# KiCad board Ultrasonic Sound Steering - Control Rev. A.kicad_pcb (continued)
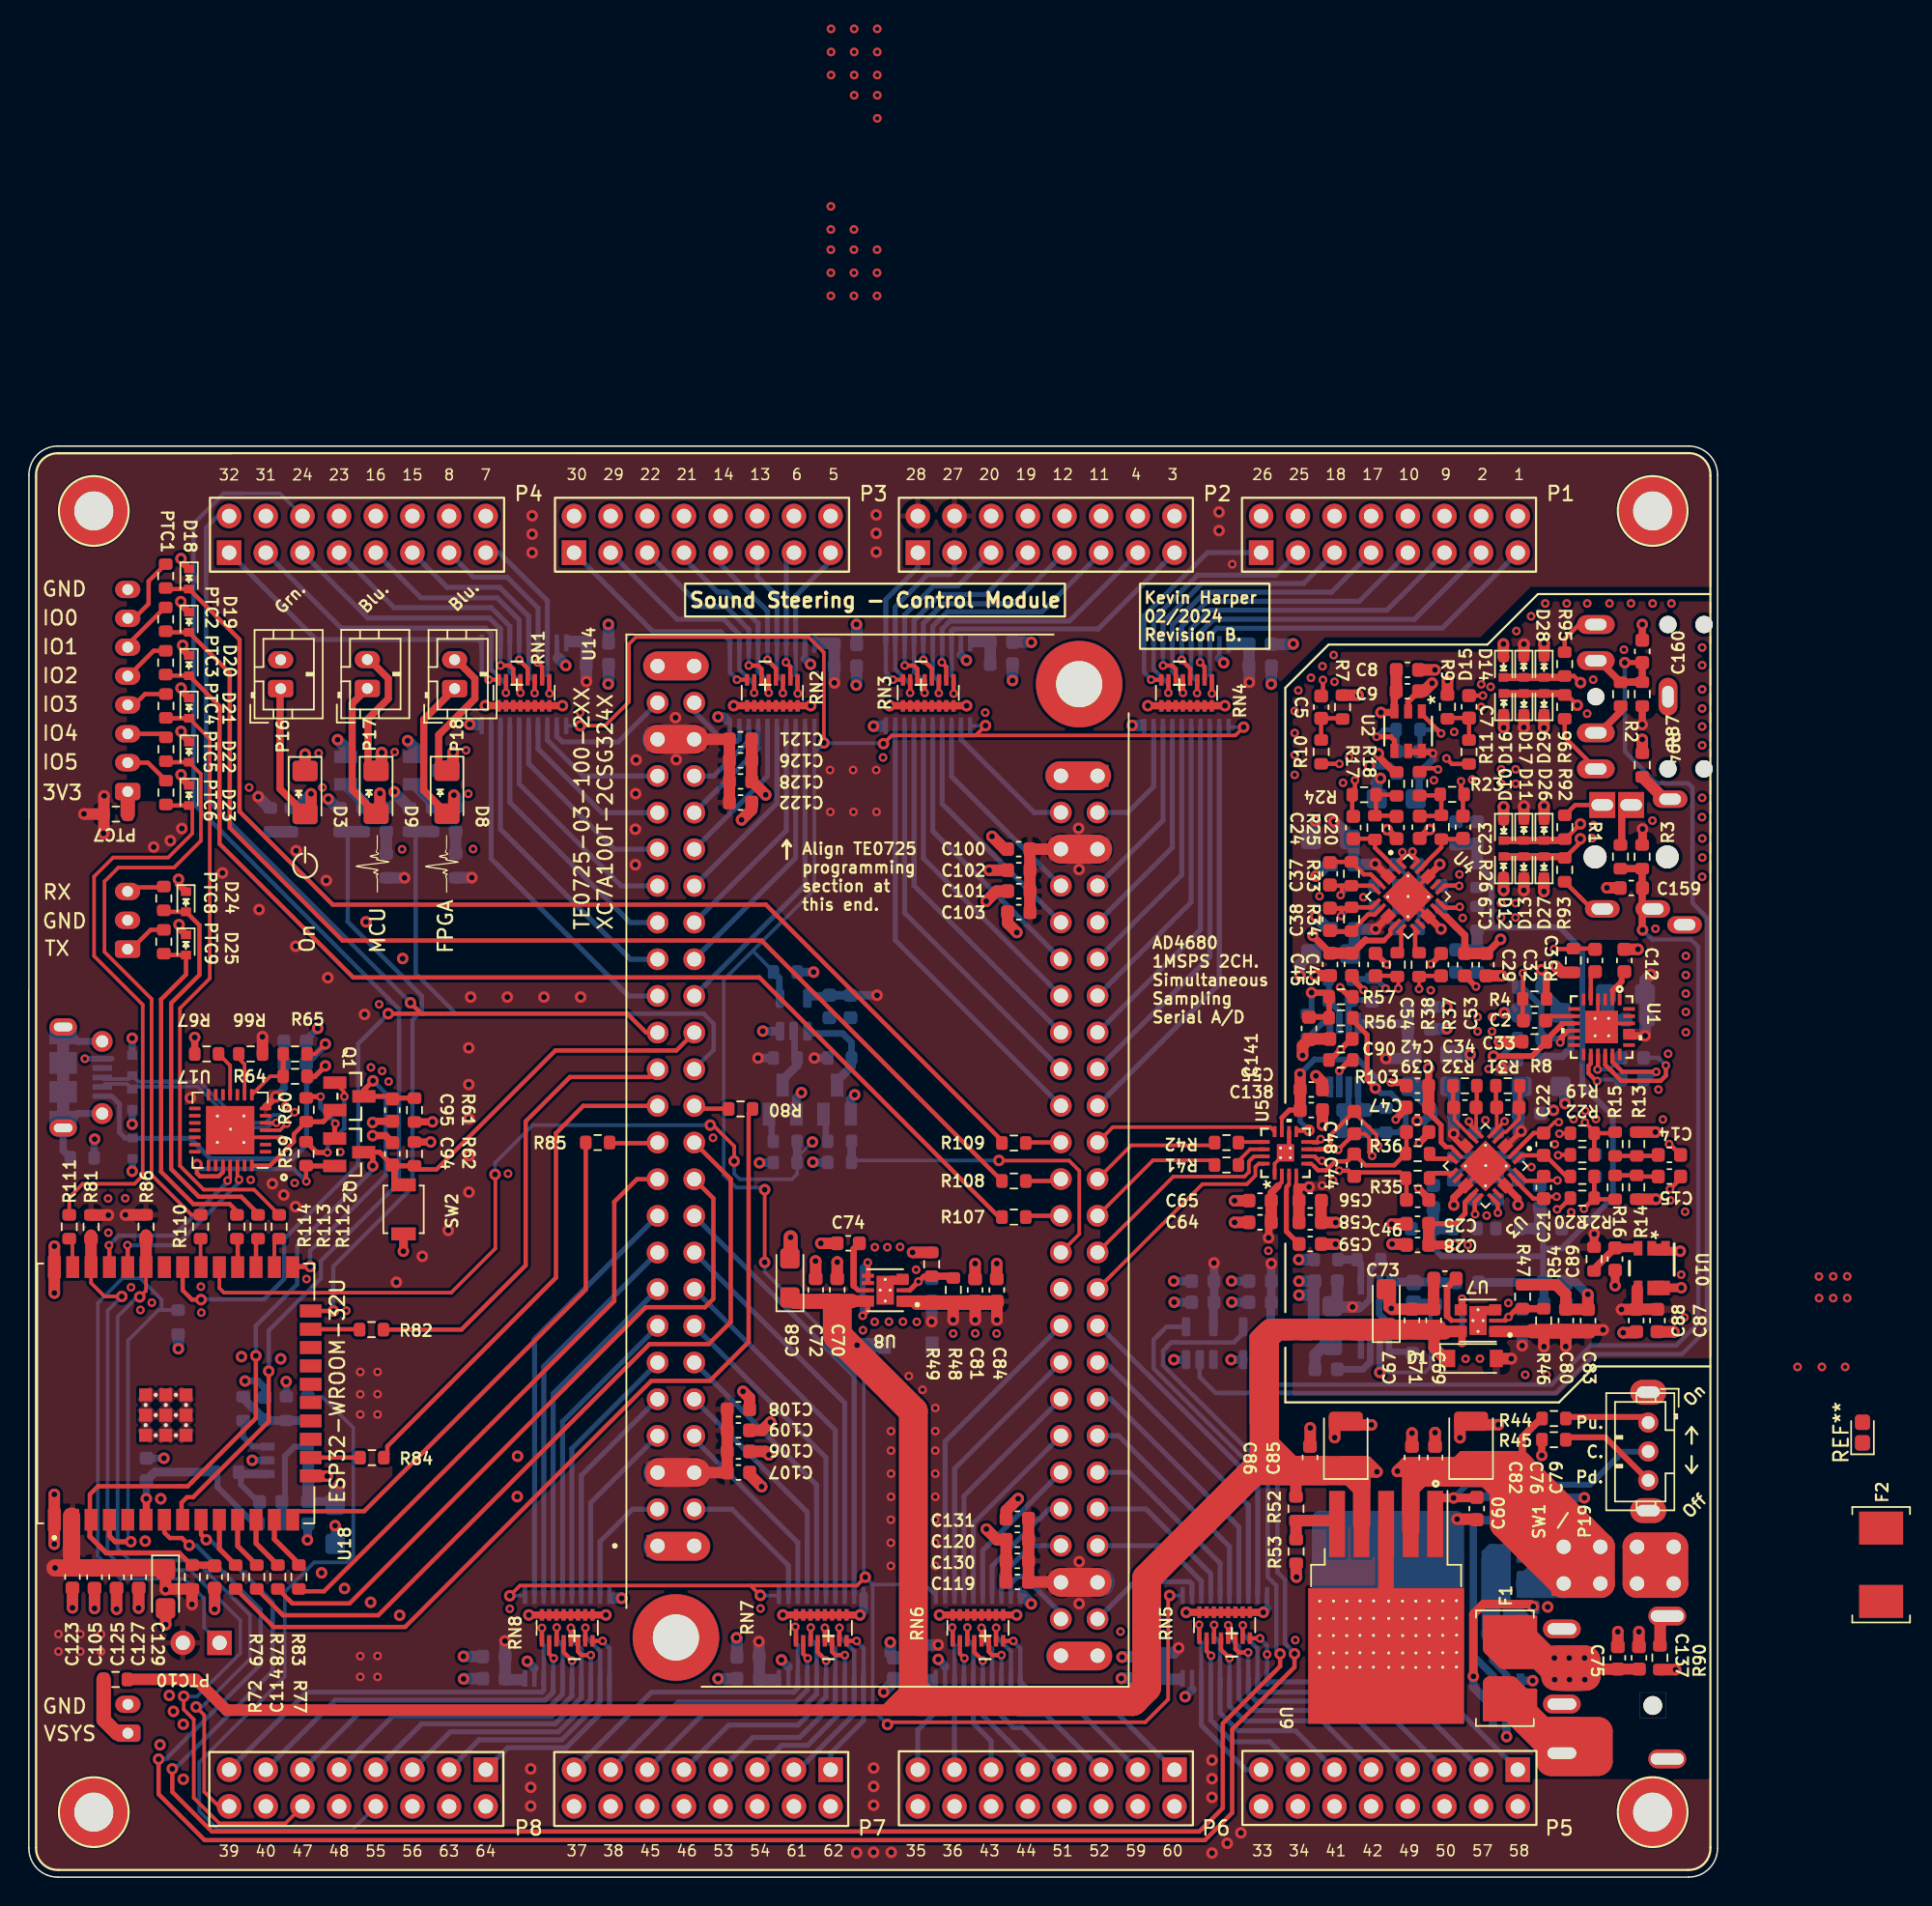
[diagram p0: board, top side]
## Routing (per net, layer and track width the routed paths; a pad name or vN(x,y) marks a point on that pad's centre or on a via; arc(x,y) is an arc through that point) (continued)
I2S_SDA: length 61.3
  Top w0.3: R77.2 16.96,17.33 26.07,17.33 43.12,34.38 47.18,34.38 49.87,37.07 49.87,52.96 R80.1 ; 16.78,17.51 16.96,17.33
I2S_WS: length 48.5
  Top w0.3: U14.22_1 47.43,47.02 47.43,40.07 46.84,39.48 42.74,39.48 22.22,18.96 18.26,18.96 18,19.22 ; R78.2 18.25,18.96
IO0: length 21.6
  Top w0.25: 25.01,54.09 C95.1 25.25,53.98
  Top w0.35: 25.01,54.09 Q1.3 23.21,54.54 v2(23.85,55.17) ; U18.25 18.32,42.3 v2(19.49,42.3) ; 26.72,53.98 25.25,53.98
  Bottom w0.3: 24.71,48.61 19.49,43.39 v2(19.49,42.3) ; 24.66,48.56 24.72,48.62 24.72,54.11 24.72,54.11 24.72,54.3 v2(23.85,55.17)
MCU_IO0: length 42.4
  Top w0.25: 17.34,45.89 15.6,47.63 12.11,47.63 10.47,49.27 10.47,60.2 12.54,62.26 12.54,78.85 D21.2
  Top w0.3: PTC4.2 9.52,80.29 D21.2
MCU_IO1: length 41.7
  Top w0.25: 8.5,60.59 8.5,60.84 5.24,64.1 5.24,68.98 6.2,69.94 10.06,69.94 11.92,71.8 11.92,76.42 D22.2 ; 11.01,46.14 11.26,45.89 R110.2 ; 8.5,60.79 8.5,48.65 11.01,46.14
  Top w0.3: D22.2 9.57,77.24 PTC5.2
MCU_IO2: length 40.8
  Top w0.25: D23.2 11.32,74.02 11.32,72.31 9.66,70.64 5.84,70.64 4.52,69.32 4.52,63.81 7.89,60.44 7.89,48.61 7.31,48.03 3.73,48.03 2.8,47.1 2.8,45.83
  Top w0.3: D23.2 9.57,74.24 PTC6.2
mono_n: length 28
  Top w0.25: v1(93.48,50.66) 93.38,50.76 93.38,51.41 92.06,52.73 91.93,52.73 ; R38.1 94.65,62.24 ; R38.1 94.76,62.45 ; R38.1 94.88,62.33 v1(94.88,61.57) ; U5.7 89.84,50.43
  Top w0.3: C48.1 90.17,51.39 90.17,50.75 89.84,50.43 ; 89.37,50.42 89.82,50.42 ; C54.2 94.76,62.45 ; 89.12,50.42 89.57,50.42
  In1.Cu w0.25: 94.99,56.31 94.99,61.46 v1(94.88,61.57) ; v1(93.48,50.66) 93.8,50.98 93.8,51.73 93.51,52.02 93.51,53 94.99,54.47 94.99,56.28 ; 94.99,55.91 94.99,61.06
mono_p: length 23.6
  Top w0.25: v1(96.32,61.54) R37.1 96.37,62.44 ; v1(93.07,49.97) 92.85,50.19 92.85,51.21 92.56,51.51 C48.2 91.92,51.59 91.93,51.59 ; U5.8 89.3,50.93
  Top w0.3: 88.97,50.92 89.28,50.92 v1(89.5,51.13) 89.3,50.93 ; C53.1 96.37,62.44 ; v1(90.71,50.39) 91.82,51.51 C48.2
  In1.Cu w0.25: v1(93.07,49.97) 93.67,49.97 94.25,50.55 94.25,51.92 93.96,52.2 93.96,52.81 95.44,54.29 95.44,61.24 95.73,61.54 v1(96.32,61.54) ; 89.66,50.97 v1(89.5,51.13)
  In1.Cu w0.3: 89.66,50.97 90.13,50.97 v1(90.71,50.39)
RTS: length 14.2
  Top w0.25: 19.21,48.22 v1(19.23,48.2) ; U17.24 13.45,48.85 ; 19.23,49.27 R59.1
  Top w0.3: v2(11.65,49.37) 11.65,48.77 11.86,48.56 13.15,48.56 13.45,48.85 ; R59.1 19.21,48.22
  Top w0.35: Q2.2 19.23,49.27
  Bottom w0.3: v2(11.65,49.37) 11.96,49.06 18.37,49.06 v1(19.23,48.2)
SPI_CS~: length 32.4
  Top w0.3: 24.48,37.93 29.97,37.93 34.42,42.38 34.42,52.36 37.49,55.43 43.02,55.43 U14.27_1
SPI_MISO: length 36.6
  Top w0.3: 18.54,25.35 23.23,25.35 38.58,40.71 R85.2
SPI_MOSI: length 35.4
  Top w0.3: U14.25_1 38.41,53.43 36.52,51.54 36.52,41.53 24.84,29.85 24.84,29.31 24.65,29.13 24.51,29.13
  Top w0.35: 24.51,29.06 24.51,29.13
SPI_SCK: length 40.8
  Top w0.3: U14.21_1 42.13,48.35 40.56,46.78 40.56,39.91 20.45,19.8 18.87,19.8 R83.2
TX_ACTIVE: length 92
  Top w0.3: U14.29_1 42.77,58.51 41.46,59.82 27.31,59.82 ; v2(26.44,60.58) 27.19,59.82 27.31,59.82 ; 27.31,59.82 v2(24.9,59.82) ; 10.66,42.01 10.66,40.65 11.3,40.01 v2(11.93,40.01)
  Bottom w0.3: 22.56,49.09 22.82,49.35 ; 22.82,49.35 22.82,56.74 ; 22.82,49.35 22.82,49.76 ; 22.82,49.35 17.69,44.22 17.69,41.44 16.29,40.04 11.95,40.04 v2(11.93,40.01) ; 13.08,94.3 12.28,93.5 12.28,74.74 v2(26.44,60.58) ; 22.82,56.43 22.82,57.74 v2(24.9,59.82)
UART_RX: length 28
  Top w0.25: 9.45,66.88 PTC8.2
  Top w0.3: 9.45,66.88 D24.2 11.82,65.95 11.82,62.51 9.86,60.55 9.86,49.06 11.78,47.14 14.71,47.14 15.88,45.97 15.88,45.89
UART_TX: length 23.7
  Top w0.25: 9.45,63.88 PTC9.2
  Top w0.3: 14.42,46.13 13.91,46.64 11.4,46.64 11.39,46.64 9.16,48.87 9.16,60.81 10.89,62.54 D25.2 9.45,63.88
UltrasonicDrive_DIS~: length 90.4
  Top w0.3: 10.58,25.01 10.58,25.94 10.95,26.32 11.37,26.32 16.62,31.57 v2(16.62,35.05)
  Bottom w0.25: 14.85,95.87 17.39,95.87 P4.6
  Bottom w0.3: 25.65,57.07 25.65,60.13 25.21,60.57 24.86,60.92 ; 24.86,60.92 24.93,60.85 ; 24.86,60.92 11.41,74.37 11.41,93.76 13.51,95.87 14.85,95.87 ; 25.65,48.37 25.65,48.11 20.24,42.7 20.24,41.49 16.62,37.87 v2(16.62,35.05) ; 25.65,48.25 25.65,57.06
USER_CFG: length 115.2
  Top w0.25: v2(48.86,49.61) 48.86,50.65 47.4,52.1 v2(47.21,52.1) ; v2(32.3,48.68) 32.32,48.66 32.32,43.55 29.26,40.49 13.52,40.49 13.2,40.81 U18.29
  Top w0.35: U18.4 5.58,23.63 5.97,23.24 v2(7.06,23.24)
  Bottom w0.2: v2(54.29,50.93) 53.23,49.87 R127.1
  Bottom w0.25: R127.1 53.23,48.71 52.87,48.35 49.26,48.35 48.86,48.75 v2(48.86,49.61) ; JP1.1 12.14,17.3 12.14,19.29 10.78,20.65 6.36,20.65 4.78,22.23 4.78,39.77 6.49,41.49 7.72,41.49 9.2,40.01 9.2,39.28 R91.1 8.98,39.28 6.87,37.17 6.87,23.43 v2(7.06,23.24) ; v2(47.21,52.1) 34.92,52.1 32.3,49.48 v2(32.3,48.68)
  Bottom w0.6: R127.1 53.23,50.97
VCM: length 108.8
  Top w0.2: C39.1 96.98,53.06
  Top w0.25: 93.91,64.93 94.15,65.17 ; U4.17 98.11,66.45
  Top w0.3: 93.91,64.93 94.33,65.35 94.33,65.65 U4.11 ; U3.11 98.54,50.59 98.16,50.59 ; 98.88,65.71 97.41,67.18 ; C43.1 91.68,64.01
  Top w0.35: C25.1 98.8,45.27 99.5,45.97 99.5,46.76 99.66,46.92 ; 98.16,50.59 97.84,50.91 97.84,52.1 96.98,52.96 96.98,53.06 ; 92.6,64.93 92.64,64.89 ; 93.87,64.89 93.91,64.93 ; R18.1 94.76,76.58 ; 99.68,46.94 99.84,47.1 ; 94.53,80.69 U2.3 ; 99.97,47.23 100.13,47.39 ; 99.8,47.06 99.96,47.22
  Top w0.356: v2(98.79,43.81) 98.25,43.81 98.23,43.83
  Top w0.4: 92.64,64.89 93.87,64.89
  Top w0.45: 90.15,64.01 C45.1
  Top w0.5: C32.1 v2(101.96,64.98) ; 91.68,64.01 92.6,64.93 ; 98.2,66.53 99.49,65.24 C29.1 ; 90.15,64.01 88.96,65.21 v2(88.96,65.24) ; v2(93.5,77.84) 93.5,77.64 94.56,76.58 94.76,76.58 ; v2(96.98,56.04) C42.1 ; C9.1 94.73,81.81 94.6,81.67 94.6,80.78 U2.3 ; v2(93.67,80.69) 94.53,80.69
  Top w0.6: v2(98.79,43.81) 98.78,43.8 C28.1
  Top w0.8: C29.1 C32.1 ; C28.1 96.99,45.27 C25.1 ; 96.98,53.38 96.98,54.85 ; C43.1 90.15,64.01 ; C9.1 94.74,82.17 C8.1
  In2.Cu w0.35: 97.35,64.02 97.32,63.99
  In2.Cu w0.5: v2(93.67,80.69) 92.62,79.64 92.62,78.34 ; v1(94,61.56) 93.55,61.56 93.34,61.35 93.34,60.11 ; 93.34,60.11 93.36,60.09 ; 93.34,60.11 97.19,56.26 97.19,55.43 ; 93.34,60.11 93.34,63.75 93.35,63.76 ; v2(88.96,65.24) 88.96,65.21 88.23,64.48 ; 95.23,64 91.53,64 ; 92.42,64 88.71,64 88.22,64.49 88.22,75.72 90.85,78.34 93,78.34 v2(93.5,77.84) ; 92.42,64 92.99,64 ; 92.42,64 93.02,64 93.35,63.67 93.65,63.97 ; 97.31,64 93.61,64 93.31,63.7 ; 97.2,64 100.99,64 v2(101.96,64.98) ; v2(98.79,43.81) 98.27,43.81 97.19,44.89 97.19,55.83 v2(96.98,56.04)
  In2.Cu w0.6: 96.84,56.39 96.84,55.87 ; 96.88,56.47 96.88,56.14 v2(96.98,56.04) 96.84,55.9 96.84,55.64 97.05,55.43 ; 96.84,56.49 96.84,56.23
  Bottom w0.2: 93.27,62.29 R58.1 92.99,62.22
  Bottom w0.4: 93.27,62.29 v1(94,61.56) ; R106.2 92.99,62.22
Net-(C1-Pad1): length 10.8
  Top w0.5: v2(104.81,62.87) 105.13,62.55 105.13,60.86 R4.2
  Bottom w0.5: v2(104.81,62.87) 104.81,61.56 106.13,60.24 C1.1 106.84,59.17 106.84,57.46 106.25,56.86 105,56.86 104.78,56.64
Net-(C2-Pad1): length 24.1
  Top w0.25: 106.44,71.92 106.41,71.92 106.32,71.82 ; 103.52,60.87 R4.1
  Top w0.3: v1(103.51,62.63) 103.52,62.62 103.52,60.87 ; R4.1 103.49,59.4 ; v2(107.5,72.97) 106.44,71.92 ; P12.3 107.13,74.28 106.41,73.57
  Top w0.5: 106.32,71.82 102.17,71.82
  In2.Cu w0.3: v2(107.5,72.97) 107.27,72.97 105.72,71.42 105.72,65.28 103.51,63.07 v1(103.51,62.63)
Net-(C2-Pad2): length 2.1
  Top w0.3: U1.8 105.39,59.65 C2.2
Net-(C3-Pad1): length 21.3
  Top w0.25: P12.2 108.28,67.08 ; 106.98,64.31 R5.2 ; 108.46,64.33 C3.1 ; 106.31,70.7 106.4,70.61
  Top w0.3: v1(105.67,64.31) 106.98,64.31 ; v2(107.49,71.94) 107.49,71.7 106.4,70.61 ; 108.28,67.08 106.4,68.96 ; R5.2 108.46,64.33
  Top w0.5: 102.17,70.7 106.31,70.7
  In1.Cu w0.3: P12.2 108.75,67.08
  In2.Cu w0.3: v2(107.49,71.94) 106.95,71.94 106.22,71.21 106.22,64.86 v1(105.67,64.31)
Net-(C3-Pad2): length 3
  Top w0.25: 108.51,62.83 C3.2 108.42,62.73
  Top w0.3: C3.2 108.21,62.44 U1.5 108.21,61.52
Net-(C5-Pad1): length 26.4
  Top w0.25: 106.4,83.22 106.31,83.12
  Top w0.3: 89.53,82.98 89.66,82.85 89.66,81.96 C5.1 ; v2(107.5,82.76) 107.04,83.22 106.4,83.22
  Top w0.35: 89.56,82.95 v1(89.66,82.95)
  Top w0.5: 106.31,83.12 102.17,83.12
  In2.Cu w0.3: v1(89.66,82.95) 91.08,84.37 100.29,84.37 102.38,82.28 107.03,82.28 v2(107.5,82.76)
Net-(C5-Pad2): length 3
  Top w0.25: 90.96,80.29 R7.2
  Top w0.3: 90.96,80.29 C5.2 R10.2
Net-(C7-Pad1): length 13.4
  Top w0.25: 106.57,81.9 R95.1 106.3,82
  Top w0.3: 100.84,81.86 99.79,81.86 ; v2(107.28,81.19) 106.57,81.9
  Top w0.35: 99.69,81.86 99.63,81.92
  Top w0.5: 102.17,82 106.3,82
  In2.Cu w0.3: v1(100.74,81.86) 100.82,81.78 106.69,81.78 v2(107.28,81.19)
Net-(C7-Pad2): length 3.1
  Top w0.25: 98.34,80.31 R9.2
  Top w0.3: R11.2 99.78,78.78 C7.2 98.34,80.31
  Top w0.35: 99.68,78.78 99.67,78.78 ; 99.64,80.36 99.63,80.37
  Top w0.4: R9.2 98.21,80.25
Net-(C10-Pad1): length 3
  Top w0.25: 108.71,55.98 v1(108.68,55.95)
  Top w0.3: U1.15 108.71,55.98
  Bottom w0.25: C10.1 109.5,55.95
  Bottom w0.3: 109.5,55.95 v1(108.68,55.95)
Net-(C10-Pad2): length 18.7
  Top w0.25: C15.1 114.44,48.41
  Top w0.3: 114.44,48.41 v1(113.7,47.67) ; 109.75,55.74 110.32,55.17 113.05,55.17 113.42,55.54 v1(113.42,56.24) ; 109.75,55.74 109.21,56.28 U1.16 ; 109.75,55.74 109.52,55.97
  In2.Cu w0.3: v1(113.7,47.67) 113.7,49.92 114.38,50.6 114.38,54.89 113.42,55.86 v1(113.42,56.24)
  Bottom w0.3: v1(113.42,56.24) 112.88,56.77 C10.2
Net-(C11-Pad1): length 3.9
  Top w0.25: 108.6,55.15 v1(108.65,55.15)
  Top w0.3: 108.6,55.15 108.06,55.69 108.06,56.21 108.21,56.37 U1.14
  Bottom w0.25: 108.76,55.26 v1(108.65,55.15)
  Bottom w0.3: C11.1 108.76,55.26
Net-(C11-Pad2): length 11.7
  Top w0.25: 113.71,50.77 113.66,50.77 v1(113.64,50.78)
  Top w0.3: U1.17 109.71,56.49 110.41,55.79 v1(112.75,55.79) ; C14.1 113.71,50.77
  In1.Cu w0.25: 112.78,55.78 112.76,55.78 v1(112.75,55.79)
  In2.Cu w0.3: v1(113.64,50.78) 113.88,51.02 113.88,54.66 v1(112.75,55.79)
  Bottom w0.25: C11.2 111.86,55.26
  Bottom w0.3: 111.86,55.26 112.22,55.26 v1(112.75,55.79)
Net-(C12-Pad2): length 2.3
  Top w0.3: U1.2 109.71,61.41
  Top w0.4: 109.71,61.41 110.35,62.04 110.35,62.54 C12.2
Net-(C13-Pad1): length 19.6
  Top w0.3: 99.71,77.12 98.59,77.12 ; 90.69,77.14 R10.1 ; 98.59,77.13 98.21,77.5
  Top w0.35: v1(90.8,77.13) 90.79,77.14 ; 98.21,77.5 v1(98.21,77.51) ; U2.4 94.61,78.76 94.36,79 v1(93.37,79) ; 99.63,77.22 99.59,77.26
  In1.Cu w0.3: v1(90.8,77.13) 90.8,79.63 91.33,80.16 92.44,80.16 93.37,79.23 v1(93.37,79) 93.38,78.99 97.11,78.99 98.21,77.89 v1(98.21,77.51)
  Bottom w0.35: C13.1 94.78,79.45 R12.2 93.87,79.5 v1(93.37,79)
Net-(C13-Pad2): length 10.6
  Top w0.3: v1(97.63,76.74) 97.55,76.82 96.59,76.82 ; v1(97.84,79.24) 96.51,80.57
  Top w0.35: 96.59,76.82 R17.1 ; 96.51,80.57 U2.1
  In1.Cu w0.3: v1(97.84,79.24) 98.99,78.09 98.99,77.31 98.42,76.74 v1(97.63,76.74)
  Bottom w0.35: C13.2 96.38,78.05 R12.1 97.58,79.5 v1(97.84,79.24)
Net-(C14-Pad2): length 3
  Top w0.25: 112.82,49.97 C14.2 ; 109.9,49.97 R15.1
  Top w0.3: 109.9,49.97 R13.1 112.82,49.97
Net-(C15-Pad2): length 3
  Top w0.25: 111.48,48.54 R14.2 ; 109.9,48.62 R16.1
  Top w0.3: R14.2 109.9,48.62 ; C15.2 111.48,48.54
Net-(C18-Pad1): length 6.5
  Top w0.25: 108.53,46.96 R21.1 ; 107.73,46.33 v1(107.73,46.3)
  Top w0.3: R16.2 108.53,46.96 ; R20.1 R21.1 107.73,46.33
  Bottom w0.3: v1(107.73,46.3) 108.5,47.07 C18.1
Net-(C18-Pad2): length 6.5
  Top w0.25: R22.1 108.45,51.65 v1(107.81,52.29) ; 109.82,51.54 R15.2
  Top w0.3: 109.82,51.54 R22.1 R19.1
  Bottom w0.3: v1(107.81,52.29) 108.5,51.6 108.5,50.07
Net-(C19-Pad2): length 4.5
  Top w0.3: R17.2 97.71,74.94 ; C19.2 97.81,73.52 ; R26.1 97.86,74.94
  Top w0.35: 97.71,74.94 R23.1 97.86,74.94 ; 97.81,73.52 R26.1
Net-(C20-Pad1): length 4.5
  Top w0.3: 93.33,73.62 R24.1 94.68,74.99 ; R25.1 94.71,73.54
  Top w0.35: 94.71,73.54 C20.1 ; 93.33,73.62 R25.1 ; 94.68,74.99 94.76,74.92
Net-(C21-Pad1): length 9.9
  Top w0.25: v1(105.84,47.15) 105.09,47.15 C21.1 105,46.96 ; 104.91,47.06 104.87,47.02
  Top w0.3: v1(106.04,51.51) 106.07,51.54 R22.2 106.85,51.6 ; U3.23 102.81,48.43 104.24,47.01 C21.1
  In2.Cu w0.3: v1(106.04,51.51) 106.29,51.51 106.72,51.08 106.72,47.81 106.06,47.15 v1(105.84,47.15)
Net-(C21-Pad2): length 5.9
  Top w0.25: v1(105.9,48.27) 105.24,48.27 C21.2 104.88,48.49 ; 104.87,48.51 104.87,48.57
  Top w0.3: U3.24 103.32,48.63 103.32,48.62 103.7,48.24 104.64,48.24 104.88,48.49 ; v1(105.95,50.01) 105.98,50.04 R19.2
  In1.Cu w0.3: v1(105.95,50.01) 105.95,48.32 v1(105.9,48.27)
Net-(C22-Pad1): length 4.3
  Top w0.25: 105.06,50.01 C22.1
  Top w0.3: C22.1 103.41,50.01 U3.1 ; R20.2 106.52,48.54 105.06,50.01
Net-(C22-Pad2): length 12.7
  Top w0.25: v1(106,52.31) 105.7,52.31 C22.2 105.02,51.48
  Top w0.3: U3.2 104.26,51.56 C22.2 ; v1(105.87,46.27) 106.02,46.27 R21.2
  In1.Cu w0.3: v1(105.87,46.27) 105.88,46.27
  In2.Cu w0.3: v1(106,52.31) 106.2,52.31 107.22,51.28 107.22,47.6 105.88,46.27
Net-(C23-Pad1): length 4.2
  Top w0.25: U4.23 96.59,70.03 96.59,70.04
  Top w0.3: 96.59,70.04 96.79,70.24 96.79,70.27 97.86,71.34 97.86,71.92 99.31,71.92
  Top w0.35: 99.31,71.92 C23.1
Net-(C23-Pad2): length 10.8
  Top w0.3: 95.86,71.05 v1(95.86,71.05) 95.86,70.79 96.18,70.47 ; C23.2 99.36,74.94
  Top w0.35: 99.36,74.94 R23.2 99.22,75.23 v1(99.22,75.92)
  In1.Cu w0.3: v1(95.86,71.05) 95.8,71.11
  In2.Cu w0.3: v1(99.22,75.92) 98.27,74.97 96.05,74.97 95.8,74.72 95.8,71.11
Net-(C24-Pad1): length 11
  Top w0.3: R24.2 91.68,73.57 ; 95,70.46 95.16,70.62 v1(95.16,71.01) ; 91.87,75.18 v1(91.87,75.99)
  Top w0.35: 91.68,73.57 C24.1 ; 95.19,70.97 v1(95.16,71.01) ; R24.2 91.87,75.18
  In1.Cu w0.3: v1(95.16,71.01) 95.3,71.15
  In2.Cu w0.3: 95.3,71.15 95.3,74.69 95.05,74.94 92.92,74.94 v1(91.87,75.99)
Net-(C24-Pad2): length 4.2
  Top w0.25: U4.2 94.28,70.28 94.28,70.3
  Top w0.3: 94.28,70.3 93.26,71.32 R25.2 ; 93.21,71.94 C24.2
  Top w0.35: R25.2 93.21,71.94
Net-(C26-Pad1): length 2.1
  Top w0.3: v1(101.77,46.03) 101.77,46.65 U3.19
  Bottom w0.25: C26.1 101.77,46.92
  Bottom w0.3: 101.77,46.92 v1(101.77,46.03)
Net-(C26-Pad2): length 2.9
  Bottom w0.25: 101.74,49.9 R27.2
  Bottom w0.3: C26.2 R27.2 ; R115.2 101.74,49.9
Net-(C27-Pad1): length 2.8
  Top w0.25: U3.18 100.2,46.79
  Top w0.3: 100.18,46.77 100.55,47.14 ; 100.17,46.77 100.17,45.91
  Bottom w0.25: 100.17,45.96 v1(100.2,45.93)
  Bottom w0.3: C27.1 100.17,45.96
Net-(C27-Pad2): length 2.9
  Bottom w0.25: 100.16,49.9 R28.2
  Bottom w0.3: R28.2 C27.2 ; R116.2 100.16,49.9
Net-(C30-Pad1): length 2.7
  Top w0.25: v1(99.1,68.67) 99.07,68.7
  Top w0.3: U4.19 98.09,68.7 99.07,68.7
  Bottom w0.25: 99.09,68.68 v1(99.1,68.67)
  Bottom w0.3: C30.1 99.09,68.68
Net-(C30-Pad2): length 2.9
  Bottom w0.25: C30.2 96.28,68.68 96.28,70.14
  Bottom w0.3: R29.2 C30.2
Net-(C31-Pad1): length 3.1
  Top w0.25: v1(99.13,67.22) 99.07,67.16
  Top w0.3: U4.18 98.11,67.16 99.07,67.16
  Bottom w0.25: 99.08,67.18 v1(99.13,67.22)
  Bottom w0.3: 99.08,67.18 C31.1 97.84,66.86
Net-(C31-Pad2): length 2.9
  Bottom w0.25: C31.2 96.29,65.76 R100.2
  Bottom w0.3: R30.2 C31.2
Net-(C33-Pad1): length 5.7
  Top w0.25: v1(102.24,52.37) U3.6 101.69,51.82 C33.1 101.64,53.39
  Top w0.3: R31.2 101.64,53.39
  Bottom w0.3: R27.1 101.73,51.85 v1(102.24,52.37)
Net-(C33-Pad2): length 4.5
  Top w0.25: 102.36,51.63 102.21,51.63 U3.5 ; 103.14,52.41 103.24,52.52 C33.2 103.29,53.38 ; 103.24,52.52 102.35,51.63
  Top w0.3: R31.1 103.29,53.38
Net-(C34-Pad1): length 4.2
  Top w0.25: 98.67,53.38 C34.1 98.77,53.28 98.77,52.47 100.07,51.17 U3.8
  Top w0.3: R32.2 98.67,53.38
Net-(C34-Pad2): length 5.5
  Top w0.25: v1(99.77,52.35) 99.77,52.19 U3.7 100.27,51.69 C34.2 100.32,53.38
  Top w0.3: R32.1 100.32,53.38
  Bottom w0.3: v1(99.77,52.35) 100.17,51.96 R28.1
Net-(C37-Pad1): length 6.6
  Top w0.25: 93.05,68.69 U4.6
  Top w0.3: 90.98,68.69 90.98,68.13 v1(90.88,68.03) ; 90.98,68.69 91.59,68.69 ; 90.98,68.69 90.14,68.69 ; R33.2 93.05,68.69
  Top w0.35: 91.59,68.69 91.65,68.75
  Bottom w0.3: R29.1 91.52,68.68 v1(90.88,68.03)
Net-(C37-Pad2): length 4.2
  Top w0.3: U4.5 92.96,69.48 92.49,69.48 R33.1 ; 90.14,70.34 91.6,70.34
  Top w0.35: 91.6,70.34 91.65,70.3
Net-(C38-Pad1): length 4.2
  Top w0.3: U4.8 93.25,66.69 92.79,66.69 R34.2
  Top w0.35: 90.14,65.51 91.58,65.51 91.64,65.57
Net-(C38-Pad2): length 6.4
  Top w0.3: 90.94,67.12 90.94,66.61 v1(90.92,66.58) ; U4.7 93.04,67.19 R34.1
  Top w0.35: 91.64,67.12 90.18,67.12 90.14,67.16
  Bottom w0.3: v1(90.92,66.58) 91.51,67.18 R30.1
Net-(C57-Pad2): length 2.5
  Top w0.35: v2(88.69,51.74) 88.68,51.75 ; 88.71,51.73 87.87,51.73
  Bottom w0.35: v2(88.69,51.74) 88.07,52.36 C57.2
Net-(C59-Pad2): length 6
  Top w0.25: C59.2 87.99,43.87 87.41,44.45 ; 87.31,47.95 87.31,48.75
  Top w0.3: 87.14,47.58 87.14,47.39 ; 87.23,47.92 87.14,47.82 87.14,47.63 ; 87.19,47.88 87.29,47.97 ; 87.14,47.73 87.14,47.54
  Top w0.35: 87.12,47.47 87.12,44.74 87.66,44.2
Net-(C61-Pad2): length 5.1
  Bottom w0.25: 14.85,33.27 R101.1 ; 16.35,31.78 16.34,31.78
  Bottom w0.6: 16.34,31.78 16.25,31.78 14.85,33.18 14.85,33.27 ; R39.2 16.35,31.63
Net-(C73-Pad2): length 4.5
  Top w0.25: 98.58,38.56 99.24,38.56 ; C73.2 98.88,41.59 98.66,41.82
  Top w0.35: 98.22,38.84 98.26,38.87 98.26,38.88 98.58,38.56
  Top w0.45: 98.26,38.88 98.26,40.84 C73.2
Net-(C74-Pad2): length 4.2
  Top w0.25: 57.46,40.65 58.12,40.65 U8.8
  Top w0.35: 57.14,40.97 57.46,40.65
  Top w0.45: 57.14,40.97 57.14,43.51 C74.2
Net-(C77-Pad1): length 5.4
  Top w0.25: 102.22,38.56 101.71,38.56 ; 103.08,39.37 103.11,39.37 ; 102.83,39.13 102.84,39.13 ; 103.49,39.38 R47.2
  Top w0.35: 103.75,39.51 103.21,39.51 102.84,39.13 ; 102.24,38.59 102.29,38.59 v1(102.52,38.81) 103.08,39.37
  Top w0.5: R46.1 103.49,39.38
  Bottom w0.35: v1(102.52,38.81) 103.06,39.35 C77.1
Net-(C78-Pad1): length 5
  Top w0.25: 61.03,40.66 60.52,40.66 ; v1(61.63,41.26) 61.63,41.26
  Top w0.35: R49.2 62.01,41.63 61.63,41.26 ; v1(61.63,41.26) 61.03,40.66
  Top w0.5: R49.2 63.93,41.63 R48.1
  Bottom w0.25: C78.1 62.43,41.46
  Bottom w0.35: 62.43,41.46 61.83,41.46 v1(61.63,41.26)
Net-(C89-Pad2): length 4.1
  Top w0.25: 108.44,42 108.44,42.14 ; 111.46,43.6 U10.3 ; C89.2 110.22,43.6
  Top w0.5: 108.44,42.14 C89.2
  Top w0.6: C89.2 111.46,43.6
Net-(C90-Pad2): length 40.9
  Top w0.25: 90.99,57.38 90.99,57.41 ; 90.07,56.61 90.23,56.61
  Top w0.35: 112.58,40.68 112.73,40.83 ; 112.89,40.85 112.9,40.86
  Top w0.4: 90.07,56.61 90.16,56.61 90.84,57.3 90.84,57.33 ; C90.2 91.61,58.07 90.72,57.19
  Top w0.6: 112.73,40.83 v2(114.48,40.83)
  Top w0.8: 113.12,40.93 112.72,40.93 ; 113.15,40.72 112.75,40.72
  In2.Cu w0.5: 102.87,42.96 110.55,42.96 ; 110.43,42.96 112.18,42.96 114.31,40.83 v2(114.48,40.83) ; 103.33,42.96 97.92,42.96 91.73,49.15 91.73,56.85 91.25,57.33 v1(90.88,57.33)
Net-(C136-Pad1): length 1.5
  Bottom w0.6: 100.31,26.37 101.66,26.37 101.74,26.28
Net-(C137-Pad2): length 199
  Top w0.25: 109.12,14.42 109.19,14.35
  Top w0.3: 104.35,17.99 104.35,16.57 ; 103.92,17.89 103.92,16.47 ; 103.77,17.86 103.77,16.44 ; 104.11,17.87 104.11,16.45 ; 102.93,18 104.35,18 ; 103.77,18 103.77,16.58
  Top w0.4: 107.5,14.23 110.12,14.23 ; 107.8,14.42 108.67,14.42 108.74,14.35 ; 109.01,14.59 111.63,14.59 ; 108.94,14.23 111.56,14.23 ; 109.19,14.35 111.81,14.35 ; 107.43,14.36 110.05,14.36 ; 108.98,14.54 111.6,14.54 ; 107.4,14.59 110.02,14.59
  Top w1: 103.29,17.49 106.33,14.46 ; 102.64,16.93 105.67,13.9 ; 103.16,17.44 106.19,14.41 ; 101.79,15.36 104.33,15.36 ; 102.52,16.9 105.55,13.87 ; 103.78,15.86 101.24,15.86 102.19,14.91 104.56,14.91
  Top w2: 107.86,14.64 106.38,14.64 ; 107.77,14.54 107.59,14.36 ; 107.77,14.54 107.74,14.51 ; 107.77,14.54 107.65,14.66 ; 107.89,14.49 106.41,14.49 ; 107.88,14.54 106.4,14.54 ; 107.82,15.01 106.34,15.01 ; 107.88,13.92 106.4,13.92 ; 106.38,14.36 107.87,14.36 107.89,14.38 ; 107.28,14.65 105.8,14.65 ; 105.94,14.66 106.31,14.66 ; 107.46,15.03 105.98,15.03 ; 107.72,14.36 106.24,14.36 ; 107.33,14.5 105.85,14.5 ; 107.65,15.03 106.17,15.03 ; 107.77,14.66 106.34,14.66 ; 107.88,15.03 106.4,15.03 ; 107.89,14.58 106.41,14.58 ; 107.78,14.36 106.46,14.36 ; 107.85,14.66 106.37,14.66 ; 105.78,15.03 105.78,14.26 ; 107.89,14.03 107.89,14.66 ; 107.64,14.54 106.48,14.54 ; 107.83,15.03 106.35,15.03 ; 107.31,14.56 105.83,14.56 ; 107.29,14.31 105.81,14.31 ; 105.78,13.92 105.78,14.69 105.85,14.76 ; 107.86,14.58 106.38,14.58 ; 107.88,14.82 106.4,14.82 ; 105.1,15.03 107.85,15.03 ; 107.54,13.92 106.06,13.92 ; 107.26,15.03 105.78,15.03 ; 107.81,14.66 105.93,14.66 ; 107.46,13.92 105.98,13.92 ; 107.89,13.92 107.89,14.55 ; 107.34,13.92 105.86,13.92 107.34,13.92
  Bottom w0.25: Q5.6 Q5.1 Q5.2 Q5.5 Q5.6
  Bottom w0.5: 102.38,18.33 103.4,18.33 ; 102.54,14.91 103.56,14.91 ; 102.37,14.91 103.39,14.91
  Bottom w2: 107.88,14.46 106.4,14.46 ; 107.88,14.56 107.86,14.58 106.37,14.58 ; 107.88,14.36 106.4,14.36 ; 105.65,14.56 105.93,14.28 106.3,14.28 ; 103.13,16.71 103.13,17.38 ; 107.77,14.58 106.45,14.58 ; 106.97,15.02 105.49,15.02 ; 107.84,14.29 106.36,14.29 ; 107.8,14.29 105.92,14.29 ; 107.76,14.41 107.73,14.44 105.75,14.44 105.53,14.65 105.42,14.65 ; 107.76,14.41 107.58,14.59 105.7,14.59 ; 107.76,14.41 107.64,14.29 ; 107.88,14.91 107.88,14.28 ; 107.87,14.12 106.39,14.12 ; 105.7,14.58 107.58,14.58 107.76,14.4 ; 107.87,15.03 106.39,15.03 ; 107.88,14.92 107.88,14.29 ; 107.87,13.91 106.39,13.91 ; 107.81,13.93 106.33,13.93 ; 107.45,13.92 105.97,13.92 ; 107.71,14.58 106.23,14.58 ; 107.77,14.59 106.45,14.59 ; 107.88,14.37 106.4,14.37 ; 107.63,14.41 106.47,14.41 ; 107.88,15.03 107.88,14.4 ; 107.88,15.02 107.88,14.39 ; 107.76,14.28 106.33,14.28 ; 103.12,15.9 103.12,16.57 ; 106.3,14.29 105.93,14.29 105.65,14.57 ; 107.64,13.92 106.16,13.92 ; 107.25,13.91 105.77,13.91 ; 107.82,13.91 106.34,13.91 ; 107.82,13.92 106.34,13.92 ; 107.64,13.91 106.16,13.91 ; 107.84,14.28 106.36,14.28 ; 106.37,14.59 107.86,14.59 107.88,14.57 ; 107.85,14.37 106.37,14.37 ; 107.45,13.91 105.97,13.91 ; 106.97,15.03 105.49,15.03 ; 107.76,14.29 106.33,14.29 ; 107.76,14.4 107.73,14.43 105.75,14.43 105.53,14.64 105.42,14.64 103.17,16.89 ; 107.76,14.4 107.64,14.28 ; 107.25,13.92 105.77,13.92 ; 107.87,15.02 106.39,15.02 ; 107.87,14.4 106.39,14.4 ; 107.71,14.59 106.23,14.59 ; 107.53,15.03 106.05,15.03 ; 107.53,15.02 106.05,15.02 ; 105.78,14.28 103.53,16.53 ; 103.99,15.66 103.32,15.66 ; 107.63,14.4 106.47,14.4 ; 107.85,14.31 106.37,14.31 ; 107.87,14.41 106.39,14.41 ; 107.85,14.3 106.37,14.3 ; 103.13,16.9 103.13,17.57 ; 107.87,13.92 106.39,13.92 ; 107.85,14.36 106.37,14.36 ; 107.87,14.13 106.39,14.13 ; 107.8,14.28 105.92,14.28 ; 107.88,14.45 106.4,14.45 ; 107.81,13.94 106.33,13.94
  vias: v2(105.69,15.18) v2(105.71,13.68) v2(106.72,15.18) v2(106.74,13.68) v2(107.78,15.18) v2(107.8,13.68)
Net-(C139-Pad1): length 5
  Bottom w0.25: R43.1 14.66,27.93
  Bottom w0.4: 14.69,27.56 14.69,27.19 15.88,26 C139.1 ; 14.69,27.54 14.69,28.15
  Bottom w0.6: U6.1 14.66,27.93 R43.1
Net-(C139-Pad2): length 6.5
  Bottom w0.25: 17.53,24.55 R102.1 ; 17.84,26.31 C139.2 ; U6.4 18.97,29.83
  Bottom w0.4: 17.74,26.41 17.74,29.17 18.39,29.83 18.97,29.83
  Bottom w0.6: 17.53,24.55 17.56,24.58 17.56,25.97 C139.2
Net-(C140-Pad1): length 3.4
  Bottom w0.25: 93.9,53.14 R55.2
  Bottom w0.4: 93.9,53.14 93.78,53.26 92.7,53.26 C140.1 92.09,53.63 U11.1
Net-(C140-Pad2): length 3.3
  Bottom w0.25: 91.03,51.73 R104.1
  Bottom w0.4: 91.03,51.73 C140.2 91.44,53.55 U11.2
Net-(C141-Pad2): length 5.9
  Top w0.25: 90.01,59.6 R56.1
  Top w0.4: 88.69,59.6 90.01,59.6 ; 89.8,61.27 89.25,61.27 ; 89.8,61.27 R57.1 ; 89.8,61.27 88.88,61.27 v2(88.87,61.28) ; 90.09,59.86 90.09,60.8
  Bottom w0.4: R105.1 88.87,60.07 v2(88.87,61.28)
Net-(C142-Pad1): length 3
  Bottom w0.2: 93.22,60.47 93.06,60.64
  Bottom w0.25: C142.1 91.44,60.58
  Bottom w0.4: C142.1 92.66,60.76 ; 91.44,60.58 U11.7
Net-(C142-Pad2): length 3.3
  Bottom w0.4: U11.6 90.79,59.99 90.02,60.76 ; 90.07,62.22 90.07,60.81
Net-(C153-Pad1): length 4.8
  Bottom w0.45: U24.3 93.58,39.95 93.56,39.93 93.56,39.01 94.72,37.85 C153.1
Net-(C153-Pad2): length 1.7
  Bottom w0.45: U24.5 94.42,36.39 95.76,36.39 95.86,36.3
Net-(C154-Pad1): length 3.4
  Bottom w0.45: C154.1 92.43,35.18 92.93,35.69 U24.7
Net-(C155-Pad1): length 4.7
  Bottom w0.25: 98.84,41.24 L1.1 ; U24.4 94.44,41.24
  Bottom w0.6: 98.84,41.24 C156.1 94.44,41.24
Net-(D3-Pad2): length 12.8
  Top w0.5: D3.2 17.4,75.4 17.4,82.29 P16.1
  Top w0.8: v2(19.55,75.05) 19.55,74.07 D3.2
  Bottom w0.8: v2(19.55,75.05) 19.55,75.03 18.59,74.08 R51.2
Net-(D8-Pad1): length 12.6
  Top w0.5: P18.2 29.6,84.34 30.9,83.04 30.9,81.64 28.4,79.14 28.4,77.22 D8.1
  Top w0.8: D8.1 29.4,77.08 v2(29.4,77.94)
  Bottom w0.8: Q3.3 29.4,77.33 v2(29.4,77.94)
Net-(D8-Pad2): length 12.9
  Top w0.5: P18.1 27.36,80.2 27.36,75.29 D8.2
  Top w0.8: 29.45,74.49 29.45,74.09 ; 29.45,74.18 29.45,73.78 ; v2(29.45,74.96) 29.45,74.39 ; 29.45,74.75 29.45,74.35
  Bottom w0.8: 29.57,74.09 29.57,74.84 v2(29.45,74.96)
Net-(D9-Pad1): length 12.1
  Top w0.25: 24.45,77.04 D9.1